# Altium PCB XMS0004.PcbDoc (part 1 of 5)
Units mm, origin at the board's own origin, x right, y up, seen from the top; angles counter-clockwise.
Board outline 160 x 130 mm, 4 copper layers (Layer 1 (Top), Layer 2 (GND), Layer 3 (PWR), Layer 4 (Bottom)), stack 1.564 mm thick; 490 components, 328 nets, 1713 pads, 922 vias.
Unrouted connection lines stored in the file: 5.
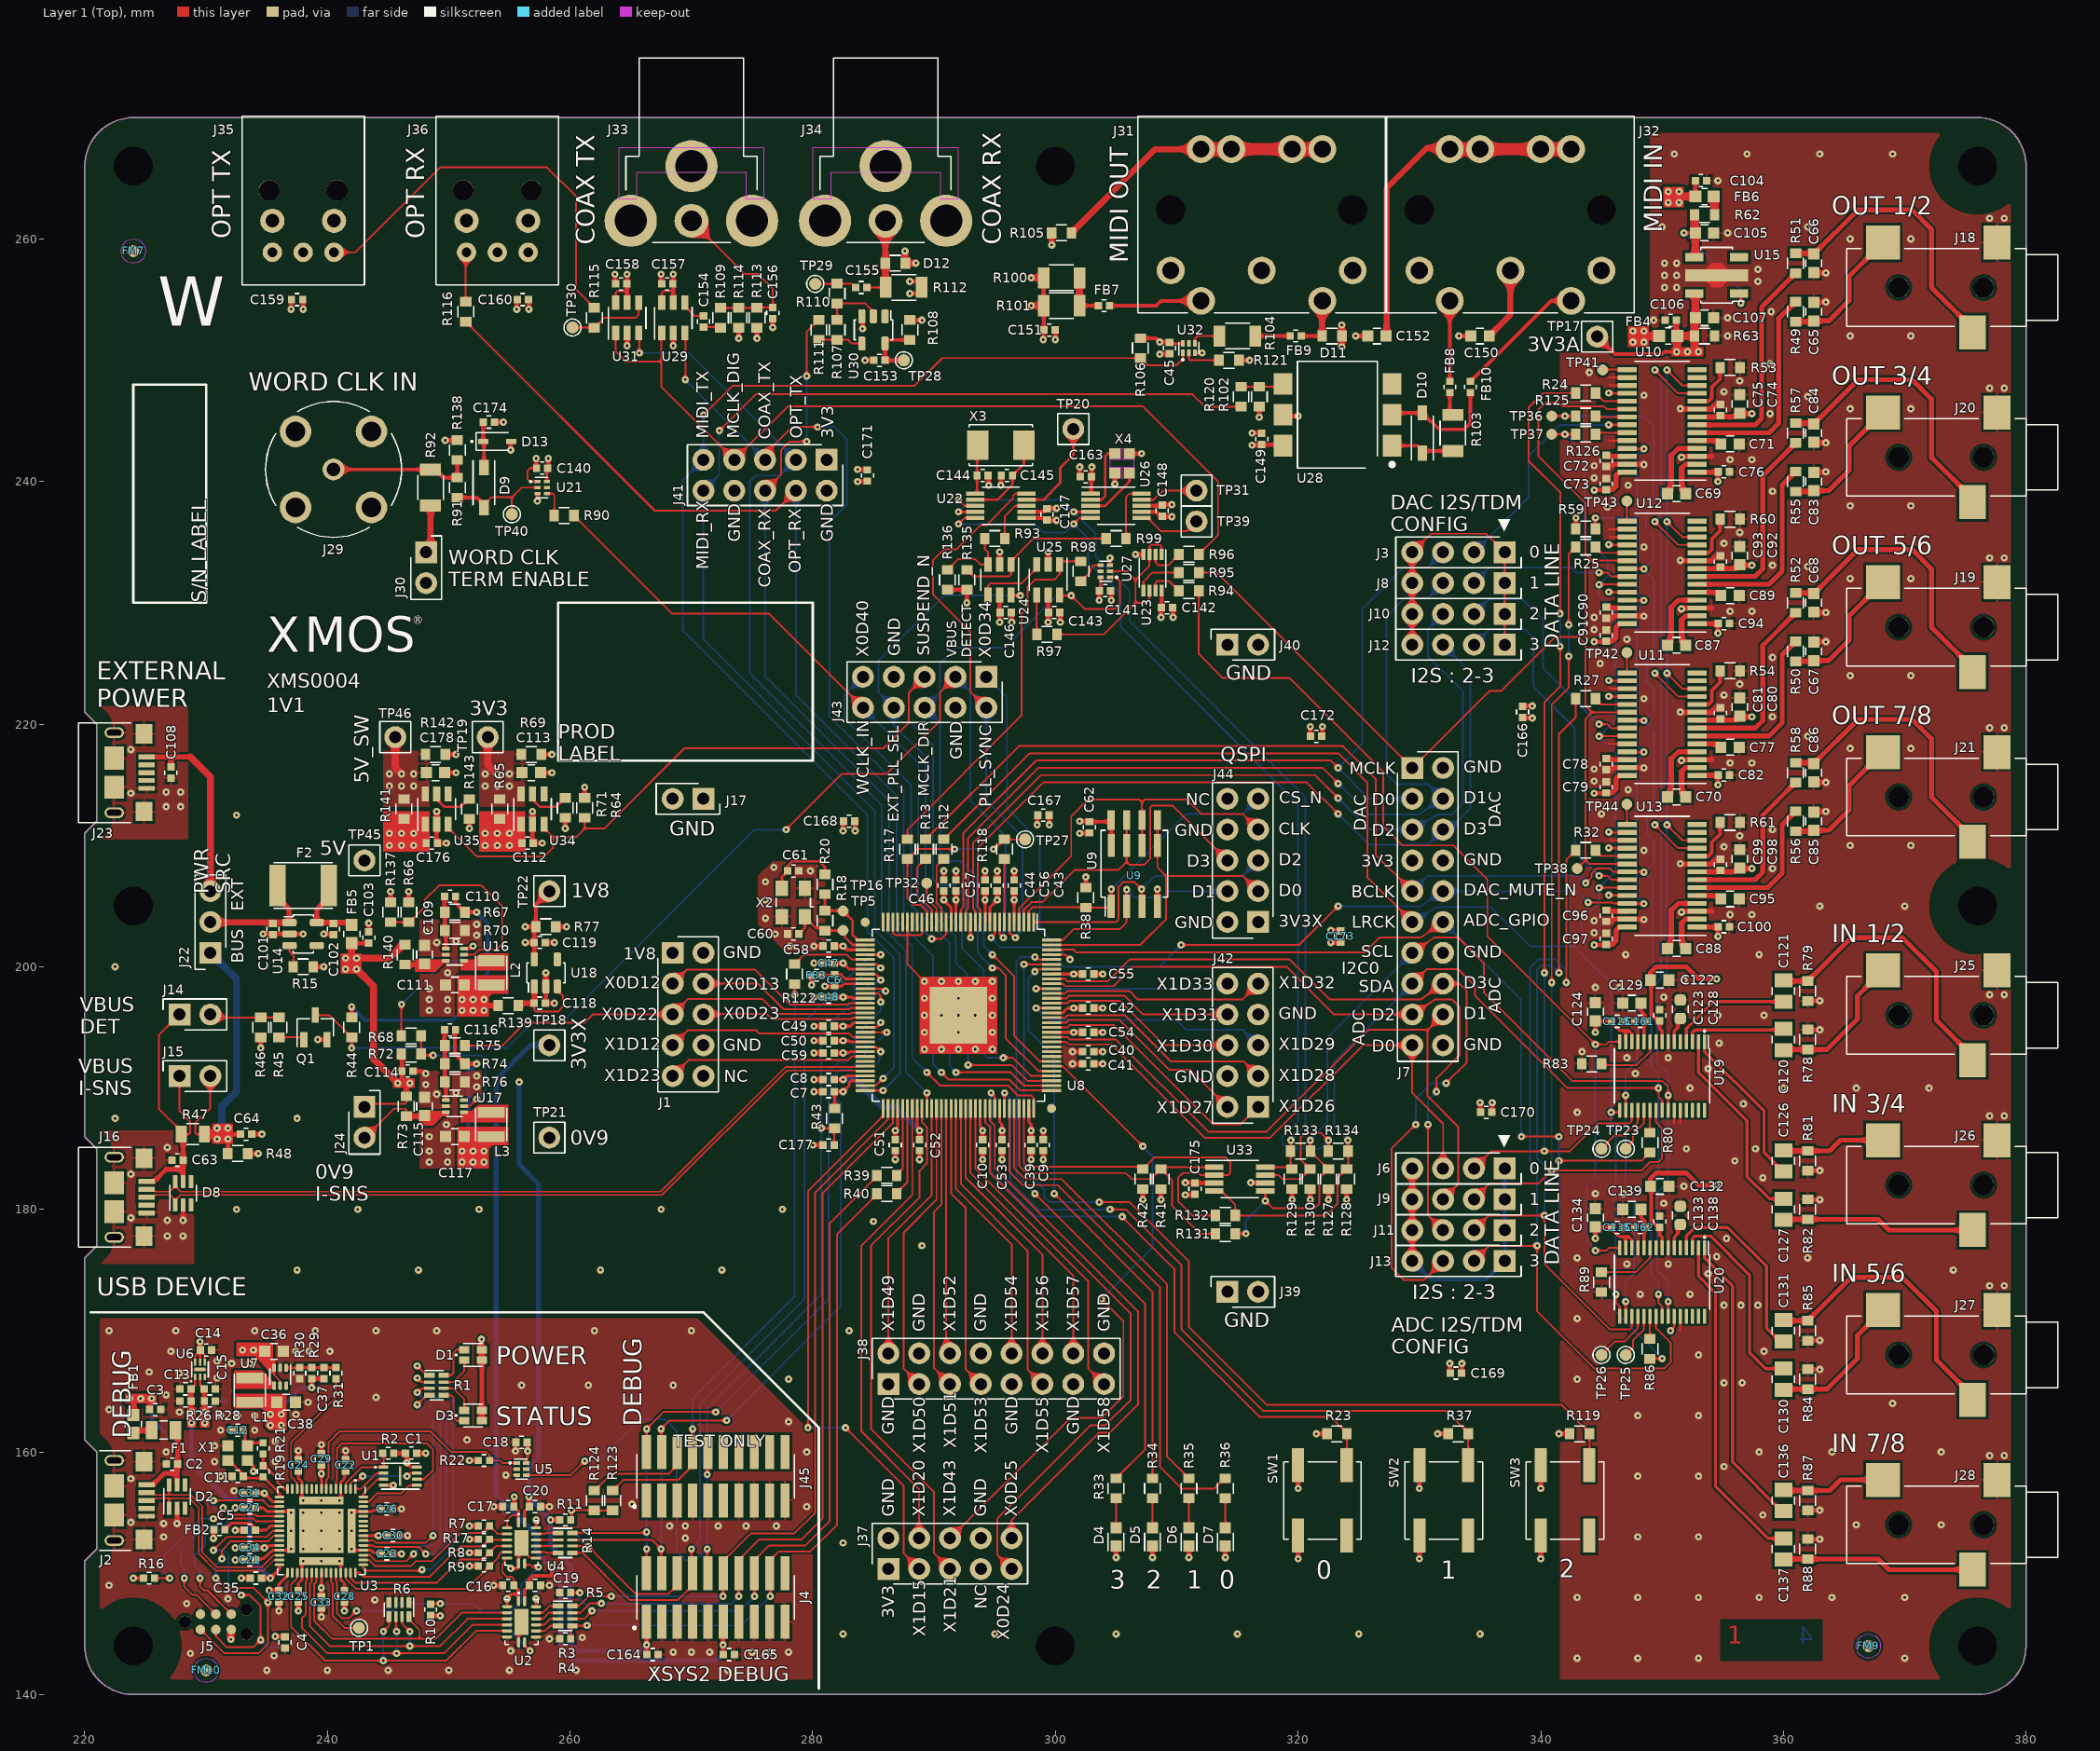
[diagram p0: Layer 1 (Top) view]
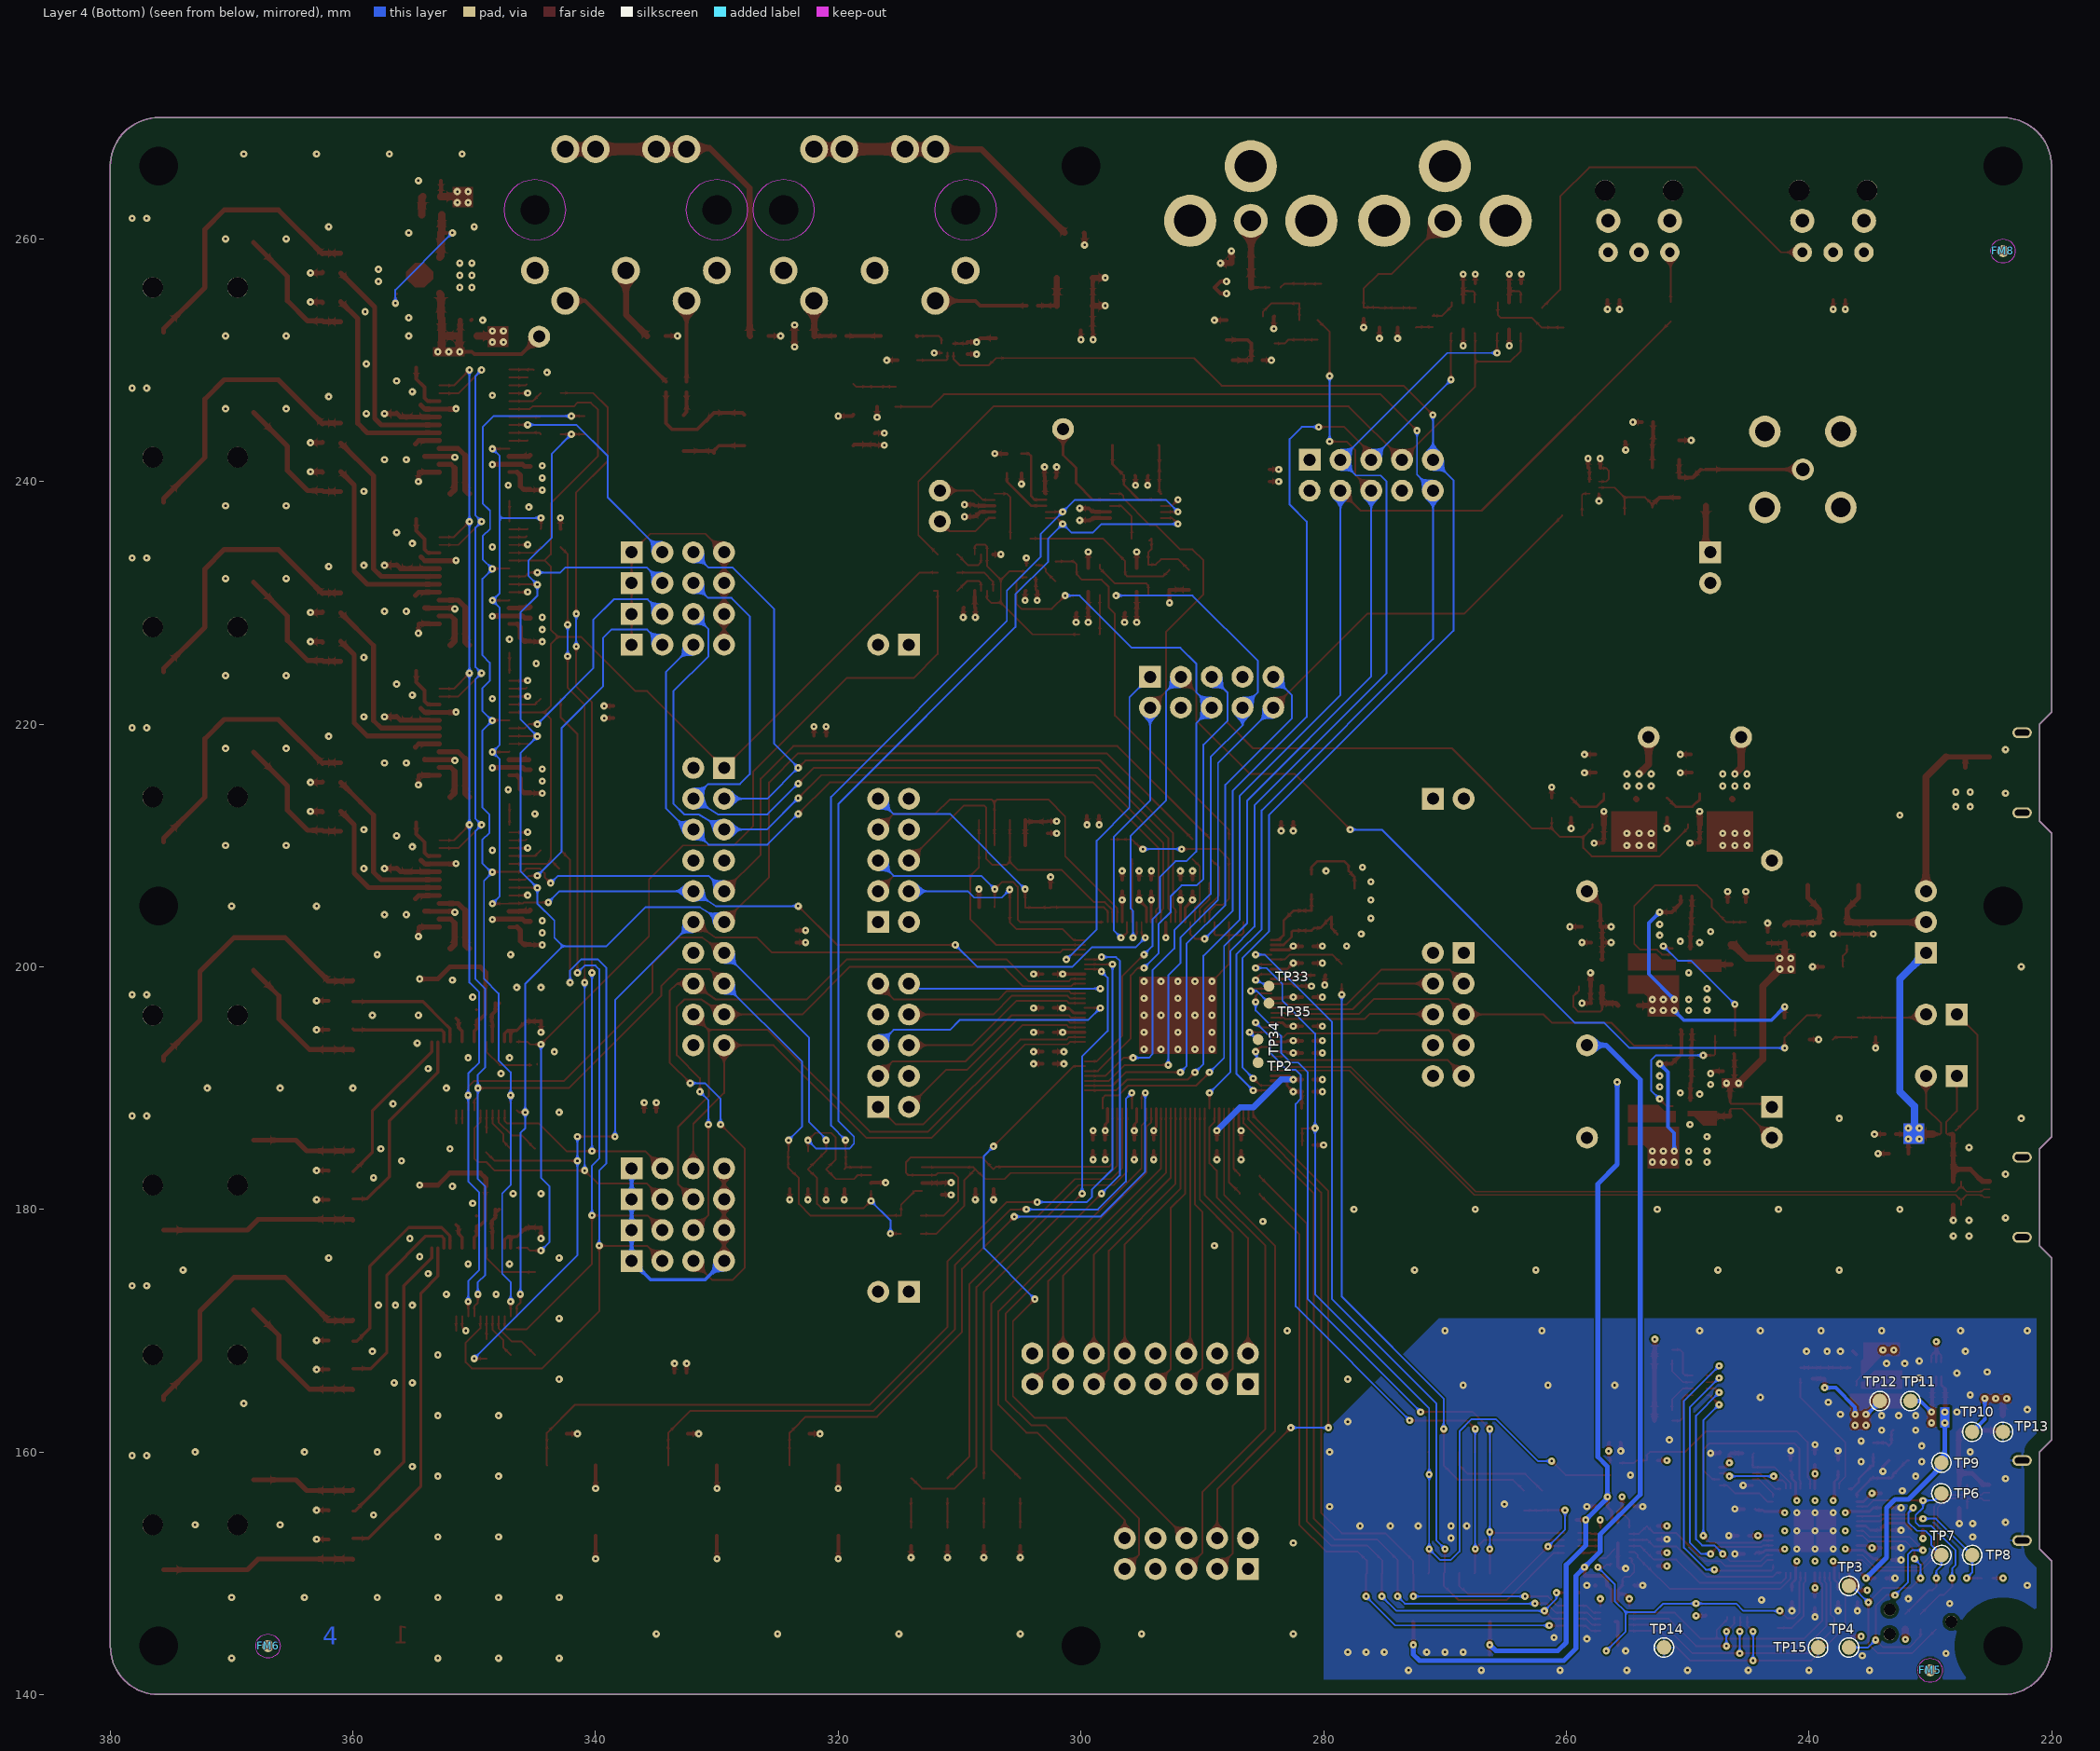
[diagram p1: Layer 4 (Bottom) view, seen from below]
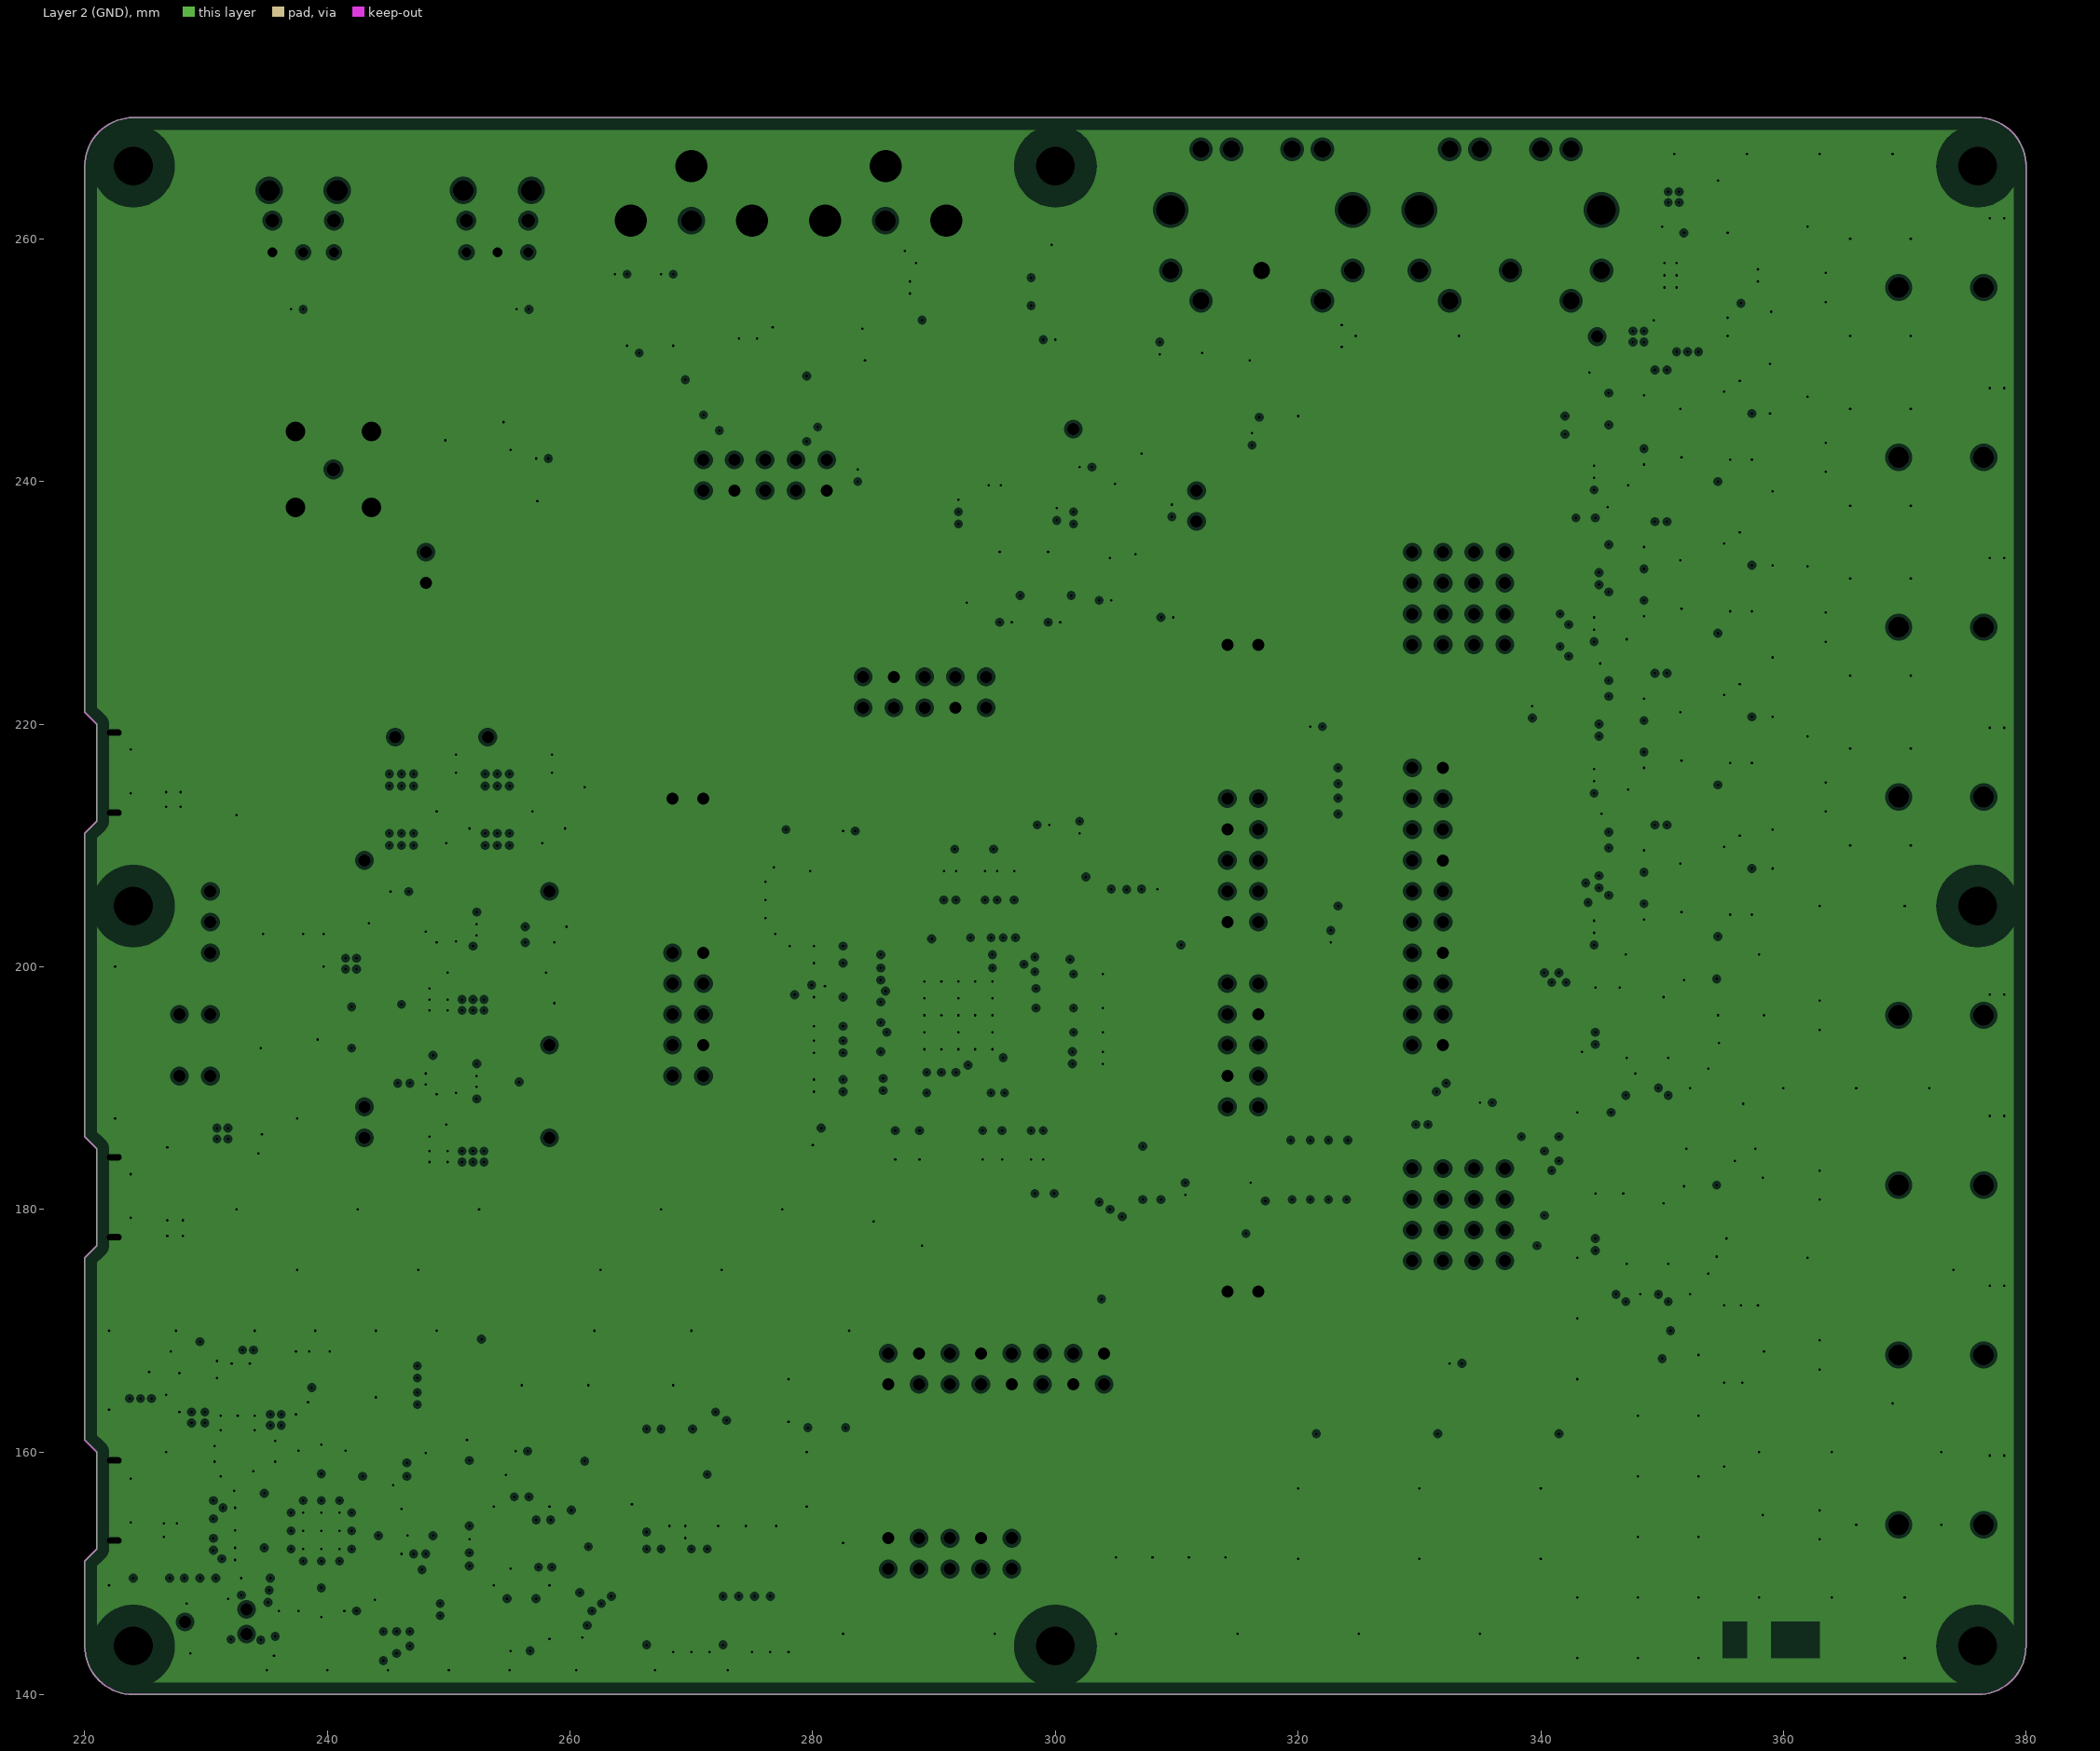
[diagram p2: Layer 2 (GND), clearances drawn from the general rule]